# Allegro board meta_module_lay_rev1.brd (continued)
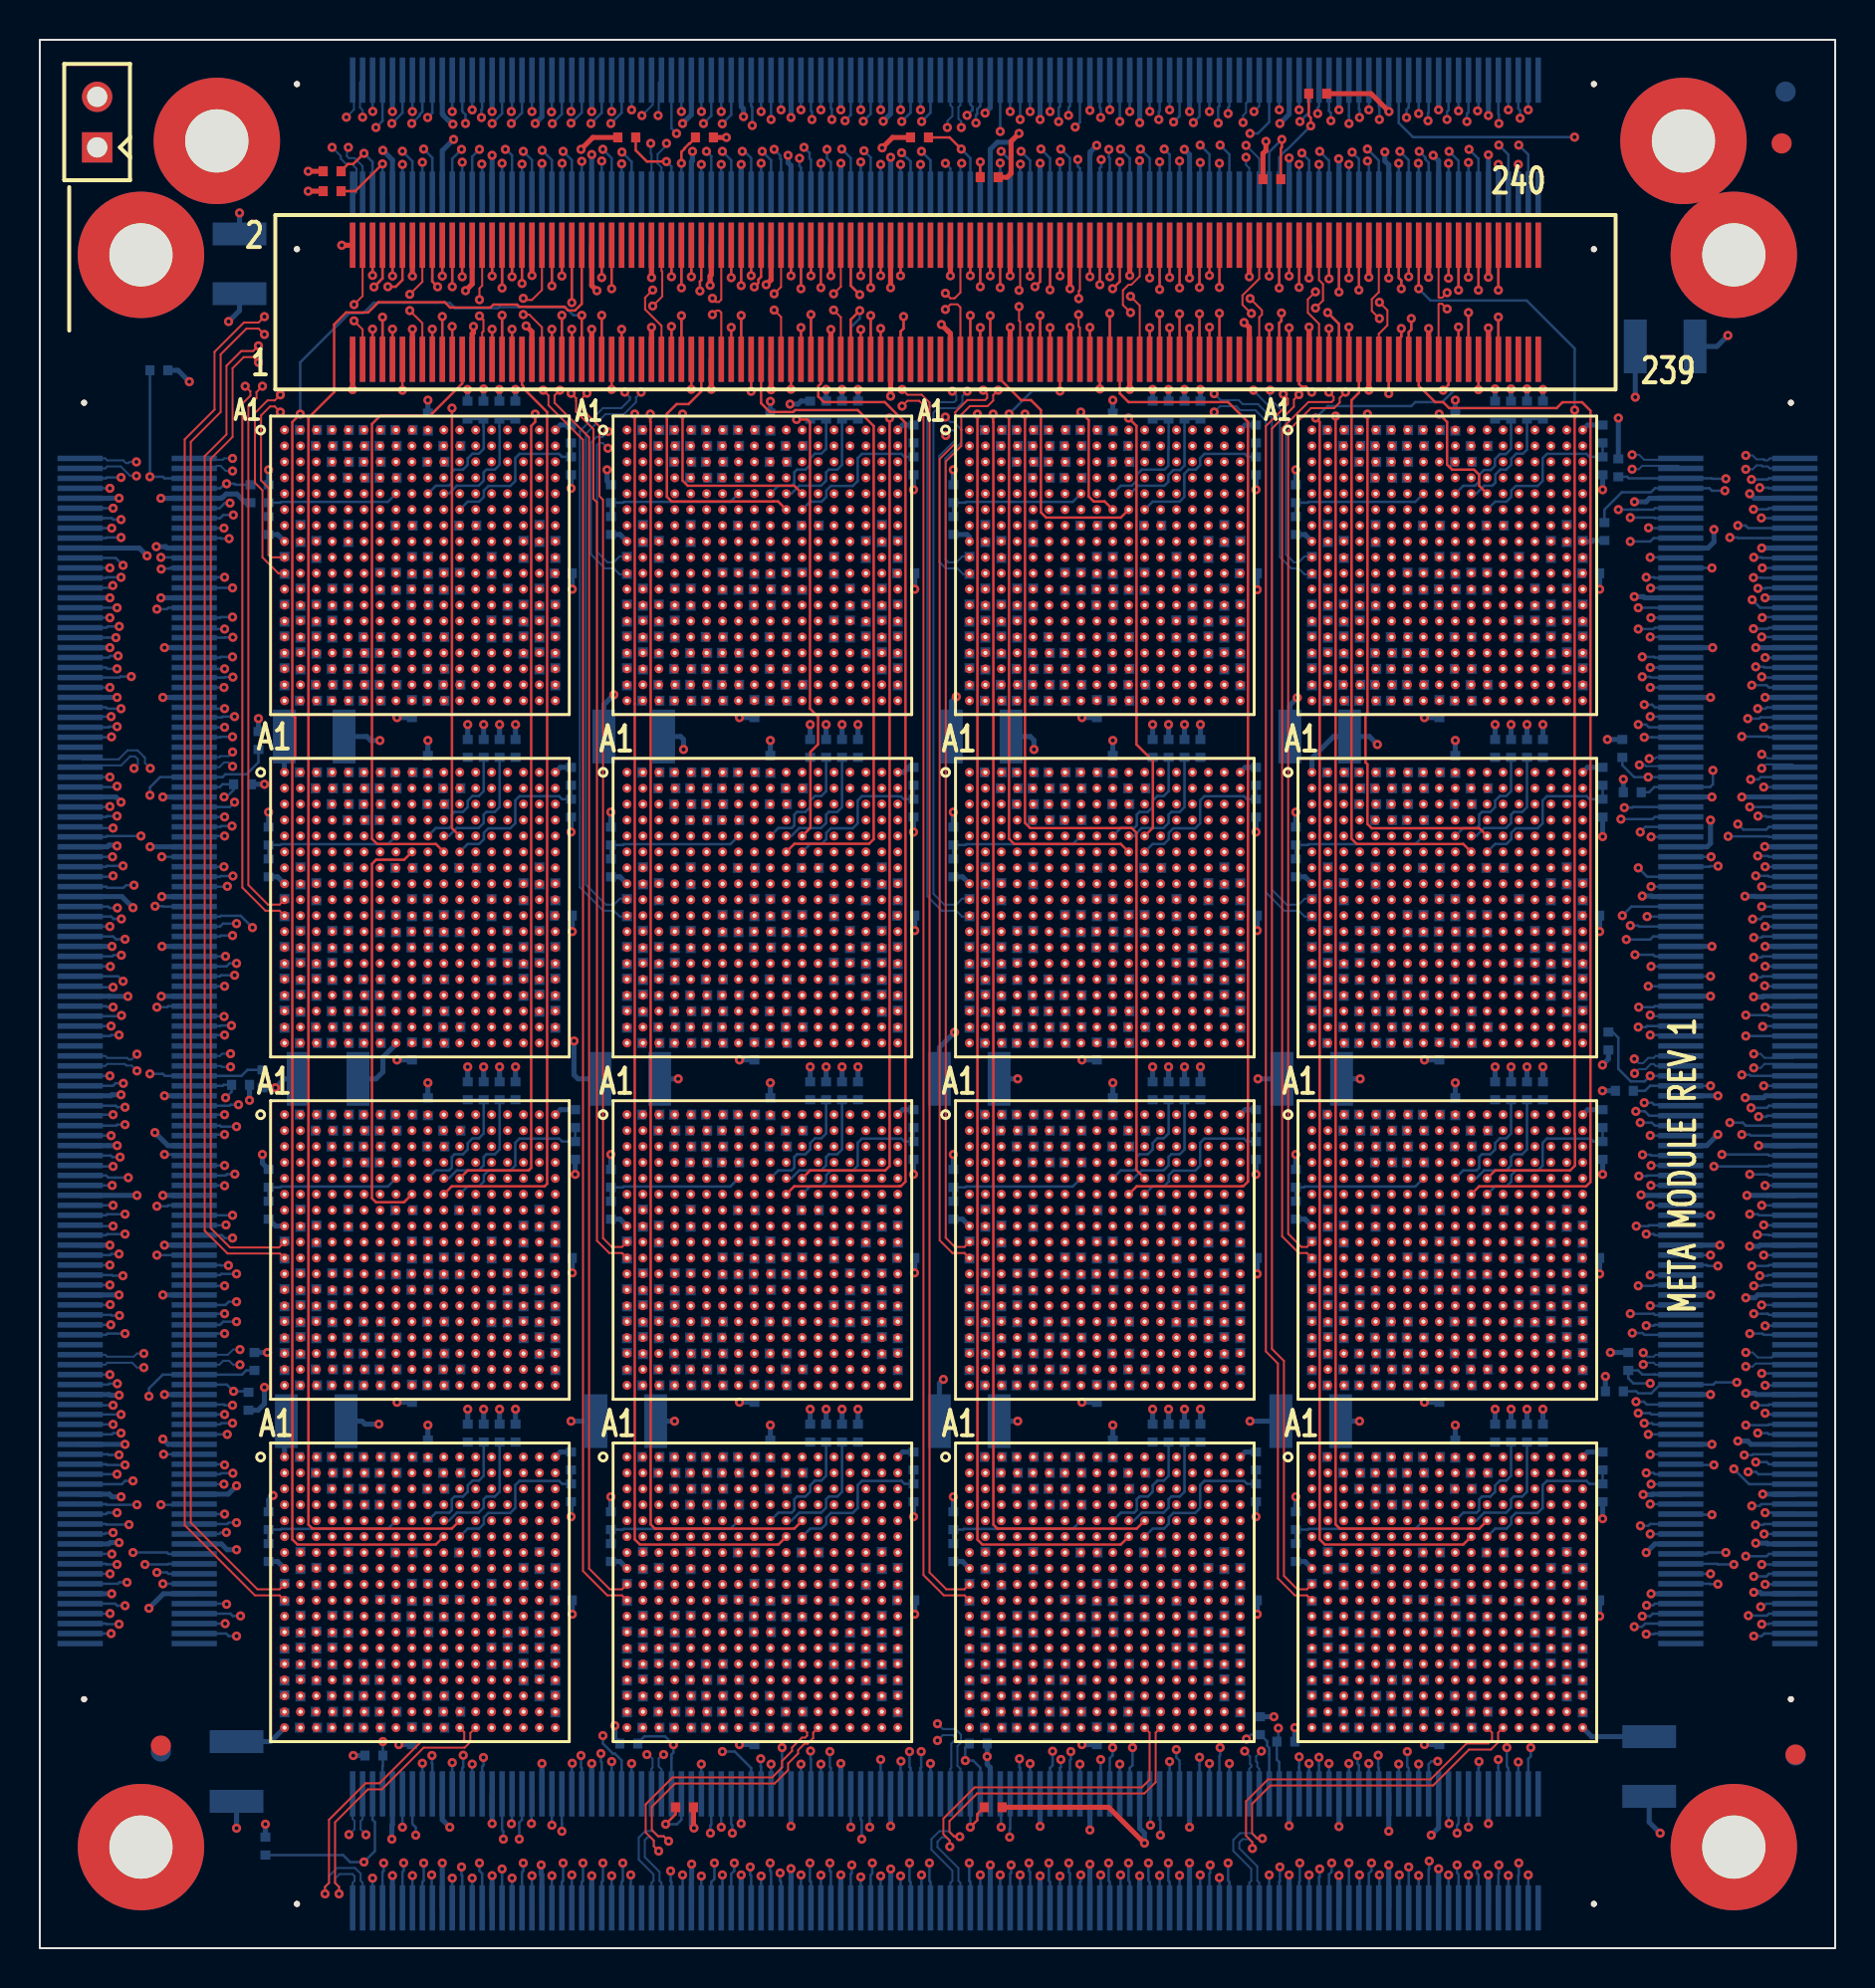
[diagram p0: board, top side]
## Routing (per net, layer and track width the routed paths; a pad name or vN(x,y) marks a point on that pad's centre or on a via; arc(x,y) is an arc through that point) (continued)
ROWID3: length 322.8
  TOP w0.127: J16.175 v1(59.24,82.14)
  SIGNAL_L3 w0.083: U7.E7 51.92,73.51 52.44,73.51 52.72,73.8 52.72,74.03 52.97,74.28 58.01,74.28 58.28,74.55 58.28,77.24 57.88,77.64 57.88,79.48 59.24,80.84 v1(59.24,82.14)
  SIGNAL_L9 w0.083: U3.E7 16.67,72.66 16.67,67.34 16.39,67.06 16.13,67.06 15.88,66.81 15.88,65.68 15.66,65.46 15.33,65.46 15.11,65.24 15.11,64.91 14.86,64.66 14.53,64.66 14.31,64.44 14.31,64.11 14.06,63.86 13.73,63.86 13.48,63.61 13.48,61.88 15.88,59.48 15.88,56.39 15.99,56.28 16.69,56.28 U4.E7 16.69,55.47 16.07,55.47 15.88,55.28 15.88,48.48 15.66,48.26 15.33,48.26 15.11,48.04 15.11,47.71 14.86,47.46 14.53,47.46 14.31,47.24 14.31,46.91 14.06,46.66 13.73,46.66 13.48,46.41 13.48,44.68 15.88,42.28 15.88,39.19 15.99,39.08 16.69,39.08 U11.E7 16.67,38.26 16.67,32.87 16.46,32.66 16.13,32.66 15.88,32.41 15.88,31.28 15.66,31.06 15.33,31.06 15.11,30.84 15.11,30.51 14.86,30.26 14.53,30.26 14.31,30.04 14.31,29.71 14.06,29.46 13.73,29.46 13.48,29.21 13.48,27.48 15.88,25.08 15.88,22.08 16.08,21.88 16.69,21.88 U12.E7
  SIGNAL_L10 w0.083: U14.E7 68.43,21.74 68.42,21.74 68.31,21.85 66.91,21.85 66.68,22.08 66.68,22.48 66.48,22.68 63.68,22.68 62.88,23.48 58.57,23.48 58.28,23.19 58.28,22.88 58.08,22.68 57.68,22.68 57.48,22.48 57.48,22.08 57.28,21.88 53.68,21.88 53.48,21.68 53.48,21.35 53.21,21.08 51.89,21.08 U16.E7 51.23,21.74 51.22,21.74 51.11,21.85 49.71,21.85 49.48,22.08 49.48,22.48 49.28,22.68 46.48,22.68 45.68,23.48 41.37,23.48 41.08,23.19 41.08,22.88 40.88,22.68 40.48,22.68 40.28,22.48 40.28,22.08 40.08,21.88 36.48,21.88 36.28,21.68 36.28,21.35 36.01,21.08 34.69,21.08 U10.E7 34.03,21.74 34.02,21.74 33.91,21.85 32.51,21.85 32.28,22.08 32.28,22.48 32.08,22.68 29.28,22.68 28.48,23.48 24.17,23.48 23.88,23.19 23.88,22.88 23.68,22.68 23.28,22.68 23.08,22.48 23.08,22.08 22.88,21.88 19.28,21.88 19.08,21.68 19.08,21.35 18.81,21.08 17.49,21.08 U12.E7 ; U6.E7 68.43,56.14 68.42,56.14 68.31,56.25 66.91,56.25 66.68,56.48 66.68,56.88 66.48,57.08 63.68,57.08 62.88,57.88 58.57,57.88 58.28,57.59 58.28,57.28 58.08,57.08 57.68,57.08 57.48,56.88 57.48,56.48 57.28,56.28 53.68,56.28 53.48,56.08 53.48,55.75 53.21,55.48 51.89,55.48 U8.E7 51.23,56.14 51.22,56.14 51.11,56.25 49.71,56.25 49.48,56.48 49.48,56.88 49.28,57.08 46.48,57.08 45.68,57.88 41.37,57.88 41.08,57.59 41.08,57.28 40.88,57.08 40.48,57.08 40.28,56.88 40.28,56.48 40.08,56.28 36.48,56.28 36.28,56.08 36.28,55.75 36.01,55.48 34.69,55.48 U2.E7 34.03,56.14 34.02,56.14 33.91,56.25 32.51,56.25 32.28,56.48 32.28,56.88 32.08,57.08 29.28,57.08 28.48,57.88 24.17,57.88 23.88,57.59 23.88,57.28 23.68,57.08 23.28,57.08 23.08,56.88 23.08,56.48 22.88,56.28 19.28,56.28 19.08,56.08 19.08,55.75 18.81,55.48 17.49,55.48 U4.E7 ; U13.E7 68.43,38.94 68.42,38.94 68.31,39.05 66.91,39.05 66.68,39.28 66.68,39.68 66.48,39.88 63.68,39.88 62.88,40.68 58.57,40.68 58.28,40.39 58.28,40.08 58.08,39.88 57.68,39.88 57.48,39.68 57.48,39.28 57.28,39.08 53.68,39.08 53.48,38.88 53.48,38.55 53.21,38.28 51.89,38.28 U15.E7 51.23,38.94 51.22,38.94 51.11,39.05 49.71,39.05 49.48,39.28 49.48,39.68 49.28,39.88 46.48,39.88 45.68,40.68 41.37,40.68 41.08,40.39 41.08,40.08 40.88,39.88 40.48,39.88 40.28,39.68 40.28,39.28 40.08,39.08 36.48,39.08 36.28,38.88 36.28,38.55 36.01,38.28 34.69,38.28 U9.E7 34.03,38.94 34.02,38.94 33.91,39.05 32.51,39.05 32.28,39.28 32.28,39.68 32.08,39.88 29.28,39.88 28.48,40.68 24.17,40.68 23.88,40.39 23.88,40.08 23.68,39.88 23.28,39.88 23.08,39.68 23.08,39.28 22.88,39.08 19.28,39.08 19.08,38.88 19.08,38.55 18.81,38.28 17.49,38.28 U11.E7 ; U3.E7 17.49,72.68 18.81,72.68 19.08,72.95 19.08,73.28 19.28,73.48 22.88,73.48 23.08,73.68 23.08,74.08 23.28,74.28 23.68,74.28 23.88,74.48 23.88,74.79 24.17,75.08 28.29,75.08 29.09,74.28 32.08,74.28 32.28,74.08 32.28,73.68 32.51,73.45 33.91,73.45 34.02,73.34 34.03,73.34 U1.E7 34.69,72.68 36.01,72.68 36.28,72.95 36.28,73.28 36.48,73.48 40.08,73.48 40.28,73.68 40.28,74.08 40.48,74.28 40.88,74.28 41.08,74.48 41.08,74.79 41.37,75.08 45.68,75.08 46.48,74.28 49.28,74.28 49.48,74.08 49.48,73.68 49.71,73.45 51.11,73.45 51.22,73.34 51.23,73.34 U7.E7 51.89,72.68 53.21,72.68 53.48,72.95 53.48,73.28 53.68,73.48 57.28,73.48 57.48,73.68 57.48,74.08 57.68,74.28 58.08,74.28 58.28,74.48 58.28,74.79 58.57,75.08 62.88,75.08 63.68,74.28 66.48,74.28 66.68,74.08 66.68,73.68 66.91,73.45 68.32,73.45 U5.E7
SN_DATA_N0: length 12.4
  SIGNAL_L6 w0.083: U11.A2 16.3,45.09 18.89,45.09 19.09,45.29 19.09,48.02 19.33,48.26 20.71,48.26 U4.R12
SN_DATA_N0_SNOW4-1: length 12.4
  SIGNAL_L6 w0.083: U4.A2 16.3,62.29 18.89,62.29 19.09,62.49 19.09,65.22 19.33,65.46 20.71,65.46 U3.R12
SN_DATA_N0_SNOW4-2: length 13
  SIGNAL_L6 w0.083: U7.R12 55.11,65.46 53.73,65.46 53.49,65.22 53.49,62.49 53.29,62.29 49.64,62.29 47.49,60.14 U8.A2
SN_DATA_N0_SNOW4-3: length 12.4
  SIGNAL_L6 w0.083: U12.A2 16.3,27.89 18.89,27.89 19.09,28.09 19.09,30.82 19.33,31.06 20.71,31.06 U11.R12
SN_DATA_N0_SNOW4-4: length 13.1
  SIGNAL_L6 w0.083: U15.R12 55.11,31.06 53.73,31.06 53.49,30.82 53.49,28.09 53.29,27.89 49.54,27.89 47.49,25.84 U16.A2
SN_DATA_N1: length 16.2
  SIGNAL_L3 w0.083: U11.B3 13.49,41.48 13.49,47.22 13.73,47.46 14.07,47.46 14.31,47.7 14.31,48.04 14.57,48.3 21.27,48.3 21.51,48.06 21.51,47.46 U4.T13
SN_DATA_N1_SNOW4-1: length 16.2
  SIGNAL_L3 w0.083: U4.B3 13.49,58.68 13.49,64.42 13.73,64.66 14.07,64.66 14.31,64.9 14.31,65.24 14.57,65.5 21.27,65.5 21.51,65.26 21.51,64.66 U3.T13
SN_DATA_N1_SNOW4-2: length 16.2
  SIGNAL_L3 w0.083: U7.T13 55.91,64.66 55.91,65.26 55.67,65.5 48.97,65.5 48.71,65.24 48.71,64.9 48.47,64.66 48.13,64.66 47.89,64.42 47.89,58.68 U8.B3
SN_DATA_N1_SNOW4-3: length 16.2
  SIGNAL_L3 w0.083: U12.B3 13.49,24.28 13.49,30.02 13.73,30.26 14.07,30.26 14.31,30.5 14.31,30.84 14.57,31.1 21.27,31.1 21.51,30.86 21.51,30.26 U11.T13
SN_DATA_N1_SNOW4-4: length 16.2
  SIGNAL_L3 w0.083: U15.T13 55.91,30.26 55.91,30.86 55.67,31.1 48.97,31.1 48.71,30.84 48.71,30.5 48.47,30.26 48.13,30.26 47.89,30.02 47.89,24.28 U16.B3
SN_DATA_N2: length 17.3
  SIGNAL_L6 w0.083: U4.U14 23.07,45.9 23.07,45.07 22.69,44.69 22.69,43.53 23.89,42.33 23.89,40.89 23.66,40.66 23.33,40.66 23.07,40.4 23.07,40.12 22.84,39.89 18.4,39.89 18.27,40.02 18.27,40.44 18.02,40.69 16.09,40.69 15.87,40.47 15.87,40.12 15.64,39.89 15.08,39.89 U11.C4
SN_DATA_N2_SNOW4-1: length 17.2
  SIGNAL_L6 w0.083: U4.C4 15.06,57.11 15.64,57.11 15.86,57.33 15.86,57.36 15.87,57.37 15.87,57.67 16.09,57.89 18.02,57.89 18.27,57.64 18.27,57.22 18.4,57.09 22.84,57.09 23.07,57.32 23.07,57.6 23.33,57.86 23.66,57.86 23.89,58.09 23.89,59.57 22.69,60.77 22.69,61.89 23.07,62.27 23.07,63.1 U3.U14
SN_DATA_N2_SNOW4-2: length 17.3
  SIGNAL_L6 w0.083: U8.C4 49.52,57.05 50,57.05 50.27,57.32 50.27,57.67 50.49,57.89 52.42,57.89 52.67,57.64 52.67,57.22 52.8,57.09 57.24,57.09 57.47,57.32 57.47,57.6 57.73,57.86 58.06,57.86 58.29,58.09 58.29,59.53 57.09,60.73 57.09,61.89 57.47,62.27 57.47,63.1 U7.U14
SN_DATA_N2_SNOW4-3: length 17.3
  SIGNAL_L6 w0.083: U11.U14 23.07,28.7 23.07,27.87 22.69,27.49 22.69,26.33 23.89,25.13 23.89,23.69 23.66,23.46 23.33,23.46 23.07,23.2 23.07,22.92 22.84,22.69 18.4,22.69 18.27,22.82 18.27,23.24 18.02,23.49 16.09,23.49 15.87,23.27 15.87,22.92 15.64,22.69 15.08,22.69 U12.C4
SN_DATA_N2_SNOW4-4: length 17.3
  SIGNAL_L6 w0.083: U16.C4 49.48,22.69 50.04,22.69 50.27,22.92 50.27,23.27 50.49,23.49 52.42,23.49 52.67,23.24 52.67,22.82 52.8,22.69 57.24,22.69 57.47,22.92 57.47,23.2 57.73,23.46 58.06,23.46 58.29,23.69 58.29,25.13 57.09,26.33 57.09,27.49 57.47,27.87 57.47,28.7 U15.U14
SN_DATA_N3: length 16.5
  SIGNAL_L3 w0.083: U11.D5 15.09,39.88 15.09,43.47 15.09,43.47 15.09,46.57 15.21,46.68 22.83,46.68 23.11,46.4 23.11,45.86 U4.V15
SN_DATA_N3_SNOW4-1: length 16.5
  SIGNAL_L3 w0.083: U4.D5 15.09,57.08 15.09,60.67 15.09,60.67 15.09,63.77 15.21,63.88 22.83,63.88 23.11,63.6 23.11,63.06 U3.V15
SN_DATA_N3_SNOW4-2: length 16.5
  SIGNAL_L3 w0.083: U8.D5 49.49,57.08 49.49,60.67 49.49,60.67 49.49,63.77 49.61,63.88 57.23,63.88 57.51,63.6 57.51,63.06 U7.V15
SN_DATA_N3_SNOW4-3: length 16.5
  SIGNAL_L3 w0.083: U11.V15 23.11,28.66 23.11,29.2 22.83,29.48 15.21,29.48 15.09,29.37 15.09,26.27 15.09,26.27 15.09,22.68 U12.D5
SN_DATA_N3_SNOW4-4: length 16.5
  SIGNAL_L3 w0.083: U15.V15 57.51,28.66 57.51,29.2 57.23,29.48 49.61,29.48 49.49,29.37 49.49,22.68 U16.D5
SN_DATA_N4: length 15.7
  SIGNAL_L12 w0.083: U4.R14 22.29,48.28 15.18,48.28 15.06,48.16 15.06,47.73 14.84,47.51 14.41,47.51 14.26,47.36 14.26,46.93 14.04,46.71 13.71,46.71 13.48,46.48 13.48,43.88 14.69,42.67 U11.A4
SN_DATA_N4_SNOW4-1: length 15.7
  SIGNAL_L12 w0.083: U4.A4 14.69,59.87 13.48,61.08 13.48,63.68 13.71,63.91 14.04,63.91 14.26,64.13 14.26,64.56 14.41,64.71 14.84,64.71 15.06,64.93 15.06,65.36 15.18,65.48 22.29,65.48 U3.R14
SN_DATA_N4_SNOW4-2: length 15.7
  SIGNAL_L12 w0.083: U7.R14 56.69,65.48 49.68,65.48 49.46,65.26 49.46,64.93 49.24,64.71 48.81,64.71 48.66,64.56 48.66,64.13 48.44,63.91 48.11,63.91 47.88,63.68 47.88,60.29 U8.A4
SN_DATA_N4_SNOW4-3: length 15.7
  SIGNAL_L12 w0.083: U11.R14 22.29,31.08 15.18,31.08 15.06,30.96 15.06,30.53 14.84,30.31 14.41,30.31 14.26,30.16 14.26,29.73 14.04,29.51 13.71,29.51 13.48,29.28 13.48,26.68 14.69,25.47 U12.A4
SN_DATA_N4_SNOW4-4: length 15.7
  SIGNAL_L12 w0.083: U16.A4 47.88,25.89 47.88,29.28 48.11,29.51 48.44,29.51 48.66,29.73 48.66,30.16 48.81,30.31 49.24,30.31 49.46,30.53 49.46,30.96 49.58,31.08 56.69,31.08 U15.R14
SN_DATA_N5: length 15
  SIGNAL_L12 w0.083: U4.T15 23.09,47.48 21.76,47.48 21.46,47.18 21.46,46.93 21.24,46.71 15.4,46.71 15.08,46.39 15.08,44.08 15.88,43.28 15.89,43.28 15.89,41.48 U11.B5
SN_DATA_N5_SNOW4-1: length 15
  SIGNAL_L12 w0.083: U4.B5 15.89,58.68 15.89,60.48 15.88,60.48 15.08,61.28 15.08,63.59 15.4,63.91 21.24,63.91 21.46,64.13 21.46,64.38 21.76,64.68 23.09,64.68 U3.T15
SN_DATA_N5_SNOW4-2: length 15
  SIGNAL_L12 w0.083: U8.B5 50.29,58.68 50.29,59.27 49.48,60.08 49.48,63.59 49.8,63.91 55.64,63.91 55.86,64.13 55.86,64.38 56.16,64.68 57.49,64.68 U7.T15
SN_DATA_N5_SNOW4-3: length 15
  SIGNAL_L12 w0.083: U12.B5 15.89,24.28 15.89,26.08 15.88,26.08 15.08,26.88 15.08,29.19 15.4,29.51 21.24,29.51 21.46,29.73 21.46,29.98 21.76,30.28 23.09,30.28 U11.T15
SN_DATA_N5_SNOW4-4: length 15
  SIGNAL_L12 w0.083: U16.B5 50.29,24.28 50.29,26.08 50.28,26.08 49.48,26.88 49.48,29.19 49.8,29.51 55.64,29.51 55.86,29.73 55.86,29.98 56.16,30.28 57.49,30.28 U15.T15
SN_DATA_N6: length 18.4
  SIGNAL_L6 w0.083: U4.U16 24.68,45.89 24.68,44.49 25.49,43.68 25.49,40.89 25.29,40.69 24.88,40.69 24.68,40.49 24.68,40.13 24.44,39.89 24.09,39.89 23.87,39.67 23.87,39.32 23.61,39.06 23.29,39.06 23.11,38.88 23.11,38.56 22.84,38.29 16.94,38.29 16.68,38.55 16.68,39.89 U11.C6
SN_DATA_N6_SNOW4-1: length 18.4
  SIGNAL_L6 w0.083: U3.U16 24.68,63.09 24.68,61.69 25.49,60.88 25.49,58.09 25.29,57.89 24.88,57.89 24.68,57.69 24.68,57.33 24.44,57.09 24.09,57.09 23.87,56.87 23.87,56.52 23.61,56.26 23.29,56.26 23.11,56.08 23.11,55.76 22.84,55.49 16.94,55.49 16.68,55.75 16.68,57.09 U4.C6
SN_DATA_N6_SNOW4-2: length 18.4
  SIGNAL_L6 w0.083: U8.C6 51.08,57.09 51.08,55.75 51.34,55.49 57.24,55.49 57.51,55.76 57.51,56.08 57.69,56.26 58.01,56.26 58.27,56.52 58.27,56.87 58.49,57.09 58.84,57.09 59.08,57.33 59.08,57.69 59.28,57.89 59.64,57.89 59.89,58.14 59.89,60.88 59.08,61.69 59.08,63.09 U7.U16
SN_DATA_N6_SNOW4-3: length 18.4
  SIGNAL_L6 w0.083: U11.U16 24.68,28.69 24.68,27.29 25.49,26.48 25.49,23.69 25.29,23.49 24.88,23.49 24.68,23.29 24.68,22.93 24.44,22.69 24.09,22.69 23.87,22.47 23.87,22.12 23.61,21.86 23.29,21.86 23.11,21.68 23.11,21.36 22.84,21.09 16.94,21.09 16.68,21.35 16.68,22.69 U12.C6
SN_DATA_N6_SNOW4-4: length 18.4
  SIGNAL_L6 w0.083: U16.C6 51.08,22.69 51.08,21.35 51.34,21.09 57.24,21.09 57.51,21.36 57.51,21.68 57.69,21.86 58.01,21.86 58.27,22.12 58.27,22.47 58.49,22.69 58.84,22.69 59.08,22.93 59.08,23.29 59.28,23.49 59.69,23.49 59.89,23.69 59.89,26.48 59.08,27.29 59.08,28.69 U15.U16
SN_DATA_N7: length 12.6
  SIGNAL_L12 w0.083: U4.V17 24.28,44.67 24.28,43.68 23.08,42.48 23.08,40.88 22.91,40.71 22.6,40.71 22.32,40.43 22.32,40.19 22.01,39.88 18.57,39.88 18.32,39.63 18.32,39.33 18.08,39.09 17.48,39.09 U11.D7
SN_DATA_N7_SNOW4-1: length 12.6
  SIGNAL_L12 w0.083: U3.V17 24.28,61.87 24.28,60.78 23.08,59.58 23.08,58.08 22.91,57.91 22.6,57.91 22.32,57.63 22.32,57.39 22.01,57.08 18.57,57.08 18.32,56.83 18.32,56.53 18.08,56.29 17.48,56.29 U4.D7
SN_DATA_N7_SNOW4-2: length 12.6
  SIGNAL_L12 w0.083: U8.D7 51.88,56.29 52.48,56.29 52.72,56.53 52.72,56.83 52.97,57.08 56.41,57.08 56.72,57.39 56.72,57.63 57,57.91 57.31,57.91 57.48,58.08 57.48,59.68 58.68,60.88 58.68,61.87 U7.V17
SN_DATA_N7_SNOW4-3: length 12.6
  SIGNAL_L12 w0.083: U12.D7 17.48,21.89 18.08,21.89 18.32,22.13 18.32,22.43 18.57,22.68 22.01,22.68 22.32,22.99 22.32,23.23 22.6,23.51 22.91,23.51 23.08,23.68 23.08,25.28 24.28,26.48 24.28,27.47 U11.V17
SN_DATA_N7_SNOW4-4: length 12.6
  SIGNAL_L12 w0.083: U15.V17 58.68,27.47 58.68,26.48 57.48,25.28 57.48,23.68 57.31,23.51 57,23.51 56.72,23.23 56.72,22.99 56.41,22.68 52.97,22.68 52.72,22.43 52.72,22.13 52.48,21.89 51.88,21.89 U16.D7
SN_DATA_N8: length 13.1
  SIGNAL_L6 w0.083: U9.A2 30.29,42.99 32.39,45.09 36.09,45.09 36.29,45.29 36.29,48.02 36.53,48.26 37.91,48.26 U2.R12
SN_DATA_N8_SNOW4-1: length 13.3
  SIGNAL_L6 w0.083: U2.A2 30.29,60.54 32.04,62.29 36.09,62.29 36.29,62.49 36.29,65.22 36.53,65.46 37.91,65.46 U1.R12
SN_DATA_N8_SNOW4-2: length 13.1
  SIGNAL_L6 w0.083: U5.R12 72.31,65.46 70.93,65.46 70.69,65.22 70.69,62.49 70.49,62.29 66.79,62.29 64.69,60.19 U6.A2
SN_DATA_N8_SNOW4-3: length 12.8
  SIGNAL_L6 w0.083: U10.A2 30.29,25.42 32.76,27.89 36.09,27.89 36.29,28.09 36.29,30.82 36.53,31.06 37.91,31.06 U9.R12
SN_DATA_N8_SNOW4-4: length 13.2
  SIGNAL_L6 w0.083: U13.R12 72.31,31.06 70.93,31.06 70.69,30.82 70.69,28.09 70.49,27.89 66.49,27.89 64.69,26.09 U14.A2
SN_DATA_N9: length 16.2
  SIGNAL_L3 w0.083: U9.B3 30.69,41.48 30.69,47.22 30.93,47.46 31.27,47.46 31.51,47.7 31.51,48.04 31.77,48.3 38.47,48.3 38.71,48.06 38.71,47.46 U2.T13
SN_DATA_N9_SNOW4-1: length 16.2
  SIGNAL_L3 w0.083: U1.T13 38.71,64.66 38.71,65.26 38.47,65.5 31.77,65.5 31.51,65.24 31.51,64.9 31.27,64.66 30.93,64.66 30.69,64.42 30.69,58.68 U2.B3
SN_DATA_N9_SNOW4-2: length 16.2
  SIGNAL_L3 w0.083: U5.T13 73.11,64.66 73.11,65.26 72.87,65.5 66.17,65.5 65.91,65.24 65.91,64.9 65.67,64.66 65.33,64.66 65.09,64.42 65.09,58.68 U6.B3
SN_DATA_N9_SNOW4-3: length 16.2
  SIGNAL_L3 w0.083: U9.T13 38.71,30.26 38.71,30.86 38.47,31.1 31.77,31.1 31.51,30.84 31.51,30.5 31.27,30.26 30.93,30.26 30.69,30.02 30.69,24.28 U10.B3
SN_DATA_N9_SNOW4-4: length 16.2
  SIGNAL_L3 w0.083: U13.T13 73.11,30.26 73.11,30.86 72.87,31.1 66.17,31.1 65.91,30.84 65.91,30.5 65.67,30.26 65.33,30.26 65.09,30.02 65.09,24.28 U14.B3
SN_DATA_N10: length 17.3
  SIGNAL_L6 w0.083: U9.C4 32.28,39.89 32.84,39.89 33.07,40.12 33.07,40.47 33.29,40.69 35.22,40.69 35.47,40.44 35.47,40.02 35.6,39.89 40.04,39.89 40.27,40.12 40.27,40.4 40.53,40.66 40.86,40.66 41.09,40.89 41.09,42.33 39.89,43.53 39.89,44.69 40.27,45.07 40.27,45.9 U2.U14
SN_DATA_N10_SNOW4-1: length 17.3
  SIGNAL_L6 w0.083: U2.C4 32.26,57.11 32.65,57.11 32.67,57.09 32.84,57.09 33.07,57.32 33.07,57.67 33.29,57.89 35.22,57.89 35.47,57.64 35.47,57.22 35.6,57.09 40.04,57.09 40.27,57.32 40.27,57.6 40.53,57.86 40.86,57.86 41.09,58.09 41.09,59.53 39.89,60.73 39.89,61.89 40.27,62.27 40.27,63.1 U1.U14
SN_DATA_N10_SNOW4-2: length 17.3
  SIGNAL_L6 w0.083: U5.U14 74.67,63.1 74.67,62.27 74.29,61.89 74.29,60.73 75.49,59.53 75.49,58.09 75.26,57.86 74.93,57.86 74.67,57.6 74.67,57.32 74.44,57.09 70,57.09 69.87,57.22 69.87,57.64 69.62,57.89 67.69,57.89 67.47,57.67 67.47,57.32 67.24,57.09 66.68,57.09 U6.C4
SN_DATA_N10_SNOW4-3: length 17.3
  SIGNAL_L6 w0.083: U9.U14 40.27,28.7 40.27,27.87 39.89,27.49 39.89,26.33 41.09,25.13 41.09,23.69 40.86,23.46 40.53,23.46 40.27,23.2 40.27,22.92 40.04,22.69 35.6,22.69 35.47,22.82 35.47,23.24 35.22,23.49 33.29,23.49 33.07,23.27 33.07,22.92 32.84,22.69 32.28,22.69 U10.C4
SN_DATA_N10_SNOW4-4: length 17.3
  SIGNAL_L6 w0.083: U13.U14 74.67,28.7 74.67,27.87 74.29,27.49 74.29,26.33 75.49,25.13 75.49,23.69 75.26,23.46 74.93,23.46 74.67,23.2 74.67,22.92 74.44,22.69 70,22.69 69.87,22.82 69.87,23.24 69.62,23.49 67.69,23.49 67.47,23.27 67.47,22.92 67.24,22.69 66.68,22.69 U14.C4
SN_DATA_N11: length 16.8
  SIGNAL_L3 w0.083: U9.D5 32.29,39.88 32.29,42.23 32.58,42.52 32.58,44.23 32.29,44.52 32.29,46.57 32.41,46.68 40.03,46.68 40.31,46.4 40.31,45.86 U2.V15
SN_DATA_N11_SNOW4-1: length 16.9
  SIGNAL_L3 w0.083: U1.V15 40.31,63.06 40.31,63.6 40.03,63.88 32.41,63.88 32.29,63.77 32.29,62.17 32.73,61.73 32.73,59.92 32.29,59.48 32.29,57.08 U2.D5
SN_DATA_N11_SNOW4-2: length 16.6
  SIGNAL_L3 w0.083: U6.D5 66.69,57.08 66.69,59.47 66.58,59.58 66.58,61.98 66.69,62.09 66.69,63.77 66.81,63.88 74.43,63.88 74.71,63.6 74.71,63.06 U5.V15
SN_DATA_N11_SNOW4-3: length 16.5
  SIGNAL_L3 w0.083: U10.D5 32.29,22.68 32.29,26.27 32.29,26.27 32.29,29.37 32.41,29.48 40.03,29.48 40.31,29.2 40.31,28.66 U9.V15
SN_DATA_N11_SNOW4-4: length 16.5
  SIGNAL_L3 w0.083: U13.V15 74.71,28.66 74.71,29.2 74.43,29.48 66.81,29.48 66.69,29.37 66.69,26.27 66.69,26.27 66.69,22.68 U14.D5
SN_DATA_N12: length 15.7
  SIGNAL_L12 w0.083: U2.R14 39.49,48.28 32.38,48.28 32.26,48.16 32.26,47.73 32.04,47.51 31.61,47.51 31.46,47.36 31.46,46.93 31.24,46.71 30.91,46.71 30.68,46.48 30.68,43.09 U9.A4
SN_DATA_N12_SNOW4-1: length 15.7
  SIGNAL_L12 w0.083: U1.R14 39.49,65.48 32.38,65.48 32.26,65.36 32.26,64.93 32.04,64.71 31.61,64.71 31.46,64.56 31.46,64.13 31.24,63.91 30.91,63.91 30.68,63.68 30.68,60.29 U2.A4
SN_DATA_N12_SNOW4-2: length 15.7
  SIGNAL_L12 w0.083: U6.A4 65.08,60.29 65.08,63.68 65.31,63.91 65.64,63.91 65.86,64.13 65.86,64.56 66.01,64.71 66.44,64.71 66.66,64.93 66.66,65.36 66.78,65.48 73.89,65.48 U5.R14
SN_DATA_N12_SNOW4-3: length 15.7
  SIGNAL_L12 w0.083: U10.A4 30.68,25.89 30.68,29.28 30.91,29.51 31.24,29.51 31.46,29.73 31.46,30.16 31.61,30.31 32.04,30.31 32.26,30.53 32.26,30.96 32.38,31.08 39.49,31.08 U9.R14
SN_DATA_N12_SNOW4-4: length 15.7
  SIGNAL_L12 w0.083: U14.A4 65.08,25.89 65.08,29.28 65.31,29.51 65.64,29.51 65.86,29.73 65.86,30.16 66.01,30.31 66.44,30.31 66.66,30.53 66.66,30.96 66.78,31.08 73.89,31.08 U13.R14
SN_DATA_N13: length 15
  SIGNAL_L12 w0.083: U9.B5 33.09,41.48 33.09,43.28 33.08,43.28 32.28,44.08 32.28,46.39 32.6,46.71 38.44,46.71 38.66,46.93 38.66,47.18 38.96,47.48 40.29,47.48 U2.T15
SN_DATA_N13_SNOW4-1: length 15
  SIGNAL_L12 w0.083: U1.T15 40.29,64.68 38.96,64.68 38.66,64.38 38.66,64.13 38.44,63.91 32.6,63.91 32.28,63.59 32.28,61.58 33.09,60.77 33.09,58.68 U2.B5
SN_DATA_N13_SNOW4-2: length 15
  SIGNAL_L12 w0.083: U6.B5 67.49,58.68 67.49,59.49 67.55,59.55 67.55,61.11 66.68,61.98 66.68,63.59 67,63.91 72.84,63.91 73.06,64.13 73.06,64.38 73.36,64.68 74.69,64.68 U5.T15
SN_DATA_N13_SNOW4-3: length 15
  SIGNAL_L12 w0.083: U10.B5 33.09,24.28 33.09,26.08 33.08,26.08 32.28,26.88 32.28,29.19 32.6,29.51 38.44,29.51 38.66,29.73 38.66,29.98 38.96,30.28 40.29,30.28 U9.T15
SN_DATA_N13_SNOW4-4: length 15
  SIGNAL_L12 w0.083: U13.T15 74.69,30.28 73.36,30.28 73.06,29.98 73.06,29.73 72.84,29.51 67,29.51 66.68,29.19 66.68,26.88 67.48,26.08 67.49,26.08 67.49,24.28 U14.B5
SN_DATA_N14: length 18.4
  SIGNAL_L6 w0.083: U9.C6 33.88,39.89 33.88,38.55 34.14,38.29 40.04,38.29 40.31,38.56 40.31,38.88 40.49,39.06 40.81,39.06 41.07,39.32 41.07,39.67 41.29,39.89 41.64,39.89 41.88,40.13 41.88,40.49 42.08,40.69 42.49,40.69 42.69,40.89 42.69,43.68 41.88,44.49 41.88,45.89 U2.U16
SN_DATA_N14_SNOW4-1: length 18.4
  SIGNAL_L6 w0.083: U2.C6 33.88,57.09 33.88,55.75 34.14,55.49 40.04,55.49 40.31,55.76 40.31,56.08 40.49,56.26 40.81,56.26 41.07,56.52 41.07,56.87 41.29,57.09 41.64,57.09 41.88,57.33 41.88,57.69 42.08,57.89 42.44,57.89 42.69,58.14 42.69,60.47 41.88,61.28 41.88,63.09 U1.U16
SN_DATA_N14_SNOW4-2: length 18.4
  SIGNAL_L6 w0.083: U6.C6 68.28,57.09 68.28,55.75 68.54,55.49 74.44,55.49 74.71,55.76 74.71,56.08 74.89,56.26 75.21,56.26 75.47,56.52 75.47,56.87 75.69,57.09 76.04,57.09 76.28,57.33 76.28,57.69 76.48,57.89 76.89,57.89 77.08,58.08 77.08,60.89 76.28,61.69 76.28,63.09 U5.U16
SN_DATA_N14_SNOW4-3: length 18.4
  SIGNAL_L6 w0.083: U9.U16 41.88,28.69 41.88,27.29 42.69,26.48 42.69,23.74 42.44,23.49 42.08,23.49 41.88,23.29 41.88,22.93 41.64,22.69 41.29,22.69 41.07,22.47 41.07,22.12 40.81,21.86 40.49,21.86 40.31,21.68 40.31,21.36 40.04,21.09 34.14,21.09 33.88,21.35 33.88,22.69 U10.C6
SN_DATA_N14_SNOW4-4: length 18.4
  SIGNAL_L6 w0.083: U13.U16 76.28,28.69 76.28,27.29 77.09,26.48 77.09,23.69 76.89,23.49 76.48,23.49 76.28,23.29 76.28,22.93 76.04,22.69 75.69,22.69 75.47,22.47 75.47,22.12 75.21,21.86 74.89,21.86 74.71,21.68 74.71,21.36 74.44,21.09 68.54,21.09 68.28,21.35 68.28,22.69 U14.C6
SN_DATA_N15: length 12.6
  SIGNAL_L12 w0.083: U9.D7 34.68,39.09 35.28,39.09 35.52,39.33 35.52,39.63 35.77,39.88 39.21,39.88 39.52,40.19 39.52,40.43 39.8,40.71 40.11,40.71 40.28,40.88 40.28,42.48 41.48,43.68 41.48,44.67 U2.V17
SN_DATA_N15_SNOW4-1: length 12.6
  SIGNAL_L12 w0.083: U2.D7 34.68,56.29 35.28,56.29 35.28,56.35 35.52,56.59 35.52,56.83 35.77,57.08 39.21,57.08 39.52,57.39 39.52,57.63 39.8,57.91 40.11,57.91 40.28,58.08 40.28,59.68 41.48,60.88 41.48,61.87 U1.V17
SN_DATA_N15_SNOW4-2: length 12.6
  SIGNAL_L12 w0.083: U5.V17 75.88,61.87 75.88,60.88 74.68,59.68 74.68,58.08 74.51,57.91 74.2,57.91 73.92,57.63 73.92,57.39 73.61,57.08 70.17,57.08 69.92,56.83 69.92,56.53 69.68,56.29 69.08,56.29 U6.D7
SN_DATA_N15_SNOW4-3: length 12.6
  SIGNAL_L12 w0.083: U10.D7 34.68,21.89 35.28,21.89 35.28,21.95 35.52,22.19 35.52,22.43 35.77,22.68 39.21,22.68 39.52,22.99 39.52,23.23 39.8,23.51 40.11,23.51 40.28,23.68 40.28,25.28 41.48,26.48 41.48,27.47 U9.V17
SN_DATA_N15_SNOW4-4: length 12.7
  SIGNAL_L12 w0.083: U13.V17 75.88,27.47 75.88,26.48 74.68,25.28 74.68,23.68 74.51,23.51 74.2,23.51 73.92,23.23 73.92,22.99 73.61,22.68 70.17,22.68 69.92,22.43 69.92,22.02 69.78,21.88 69.09,21.88 U14.D7
SN_DATA_N16: length 13.2
  SIGNAL_L6 w0.083: U8.R12 55.11,48.26 53.73,48.26 53.49,48.02 53.49,45.29 53.29,45.09 49.34,45.09 47.49,43.24 U15.A2
SN_DATA_N17: length 16.2
  SIGNAL_L3 w0.083: U8.T13 55.91,47.46 55.91,48.06 55.67,48.3 48.97,48.3 48.71,48.04 48.71,47.7 48.47,47.46 48.13,47.46 47.89,47.22 47.89,41.48 U15.B3
SN_DATA_N18: length 17.3
  SIGNAL_L6 w0.083: U15.C4 49.48,39.89 50.04,39.89 50.27,40.12 50.27,40.47 50.49,40.69 52.42,40.69 52.67,40.44 52.67,40.02 52.8,39.89 57.24,39.89 57.47,40.12 57.47,40.4 57.73,40.66 58.06,40.66 58.29,40.89 58.29,42.33 57.09,43.53 57.09,44.69 57.47,45.07 57.47,45.9 U8.U14
SN_DATA_N19: length 16.5
  SIGNAL_L3 w0.083: U15.D5 49.49,39.88 49.49,43.47 49.49,43.47 49.49,46.57 49.61,46.68 57.23,46.68 57.51,46.4 57.51,45.86 U8.V15
SN_DATA_N20: length 15.7
  SIGNAL_L12 w0.083: U8.R14 56.69,48.28 49.68,48.28 49.46,48.06 49.46,47.73 49.24,47.51 48.81,47.51 48.66,47.36 48.66,46.93 48.44,46.71 48.11,46.71 47.88,46.48 47.88,43.09 U15.A4
SN_DATA_N21: length 15
  SIGNAL_L12 w0.083: U8.T15 57.49,47.48 56.16,47.48 55.86,47.18 55.86,46.93 55.64,46.71 49.8,46.71 49.48,46.39 49.48,44.08 50.28,43.28 50.29,43.28 50.29,41.48 U15.B5
SN_DATA_N22: length 18.4
  SIGNAL_L6 w0.083: U8.U16 59.08,45.89 59.08,44.49 59.89,43.68 59.89,40.89 59.69,40.69 59.28,40.69 59.08,40.49 59.08,40.13 58.84,39.89 58.49,39.89 58.27,39.67 58.27,39.32 58.01,39.06 57.69,39.06 57.51,38.88 57.51,38.56 57.24,38.29 51.34,38.29 51.08,38.55 51.08,39.89 U15.C6
SN_DATA_N23: length 12.6
  SIGNAL_L12 w0.083: U15.D7 51.88,39.09 52.48,39.09 52.72,39.33 52.72,39.63 52.97,39.88 56.41,39.88 56.72,40.19 56.72,40.43 57,40.71 57.31,40.71 57.48,40.88 57.48,42.48 58.68,43.68 58.68,44.67 U8.V17
SN_DATA_N24: length 13.1
  SIGNAL_L6 w0.083: U13.A2 64.69,43.14 66.64,45.09 70.49,45.09 70.69,45.29 70.69,48.02 70.93,48.26 72.31,48.26 U6.R12
SN_DATA_N25: length 16.2
  SIGNAL_L3 w0.083: U13.B3 65.09,41.48 65.09,47.22 65.33,47.46 65.67,47.46 65.91,47.7 65.91,48.04 66.17,48.3 72.87,48.3 73.11,48.06 73.11,47.46 U6.T13
SN_DATA_N26: length 17.3
  SIGNAL_L6 w0.083: U6.U14 74.67,45.9 74.67,45.07 74.29,44.69 74.29,43.53 75.49,42.33 75.49,40.89 75.26,40.66 74.93,40.66 74.67,40.4 74.67,40.12 74.44,39.89 70,39.89 69.87,40.02 69.87,40.44 69.62,40.69 67.69,40.69 67.47,40.47 67.47,40.12 67.24,39.89 66.68,39.89 U13.C4
SN_DATA_N27: length 16.5
  SIGNAL_L3 w0.083: U13.D5 66.69,39.88 66.69,43.47 66.69,43.47 66.69,46.57 66.81,46.68 74.43,46.68 74.71,46.4 74.71,45.86 U6.V15
SN_DATA_N28: length 15.7
  SIGNAL_L12 w0.083: U13.A4 65.08,43.09 65.08,46.48 65.31,46.71 65.64,46.71 65.86,46.93 65.86,47.36 66.01,47.51 66.44,47.51 66.66,47.73 66.66,48.16 66.78,48.28 73.89,48.28 U6.R14
SN_DATA_N29: length 15
  SIGNAL_L12 w0.083: U6.T15 74.69,47.48 73.36,47.48 73.06,47.18 73.06,46.93 72.84,46.71 67,46.71 66.68,46.39 66.68,44.08 67.48,43.28 67.49,43.28 67.49,41.48 U13.B5
SN_DATA_N30: length 18.4
  SIGNAL_L6 w0.083: U13.C6 68.28,39.89 68.28,38.55 68.54,38.29 74.44,38.29 74.71,38.56 74.71,38.88 74.89,39.06 75.21,39.06 75.47,39.32 75.47,39.67 75.69,39.89 76.04,39.89 76.28,40.13 76.28,40.49 76.48,40.69 76.89,40.69 77.09,40.89 77.09,43.68 76.28,44.49 76.28,45.89 U6.U16